# Altium PCB 创世一号.PcbDoc (part 1 of 2)
Units mm, origin at the board's own origin, x right, y up, seen from the top; angles counter-clockwise.
Board outline 347.35 x 131.83 mm, 2 copper layers (Top Layer, Bottom Layer); 243 components, 173 nets, 1078 pads, 174 vias.
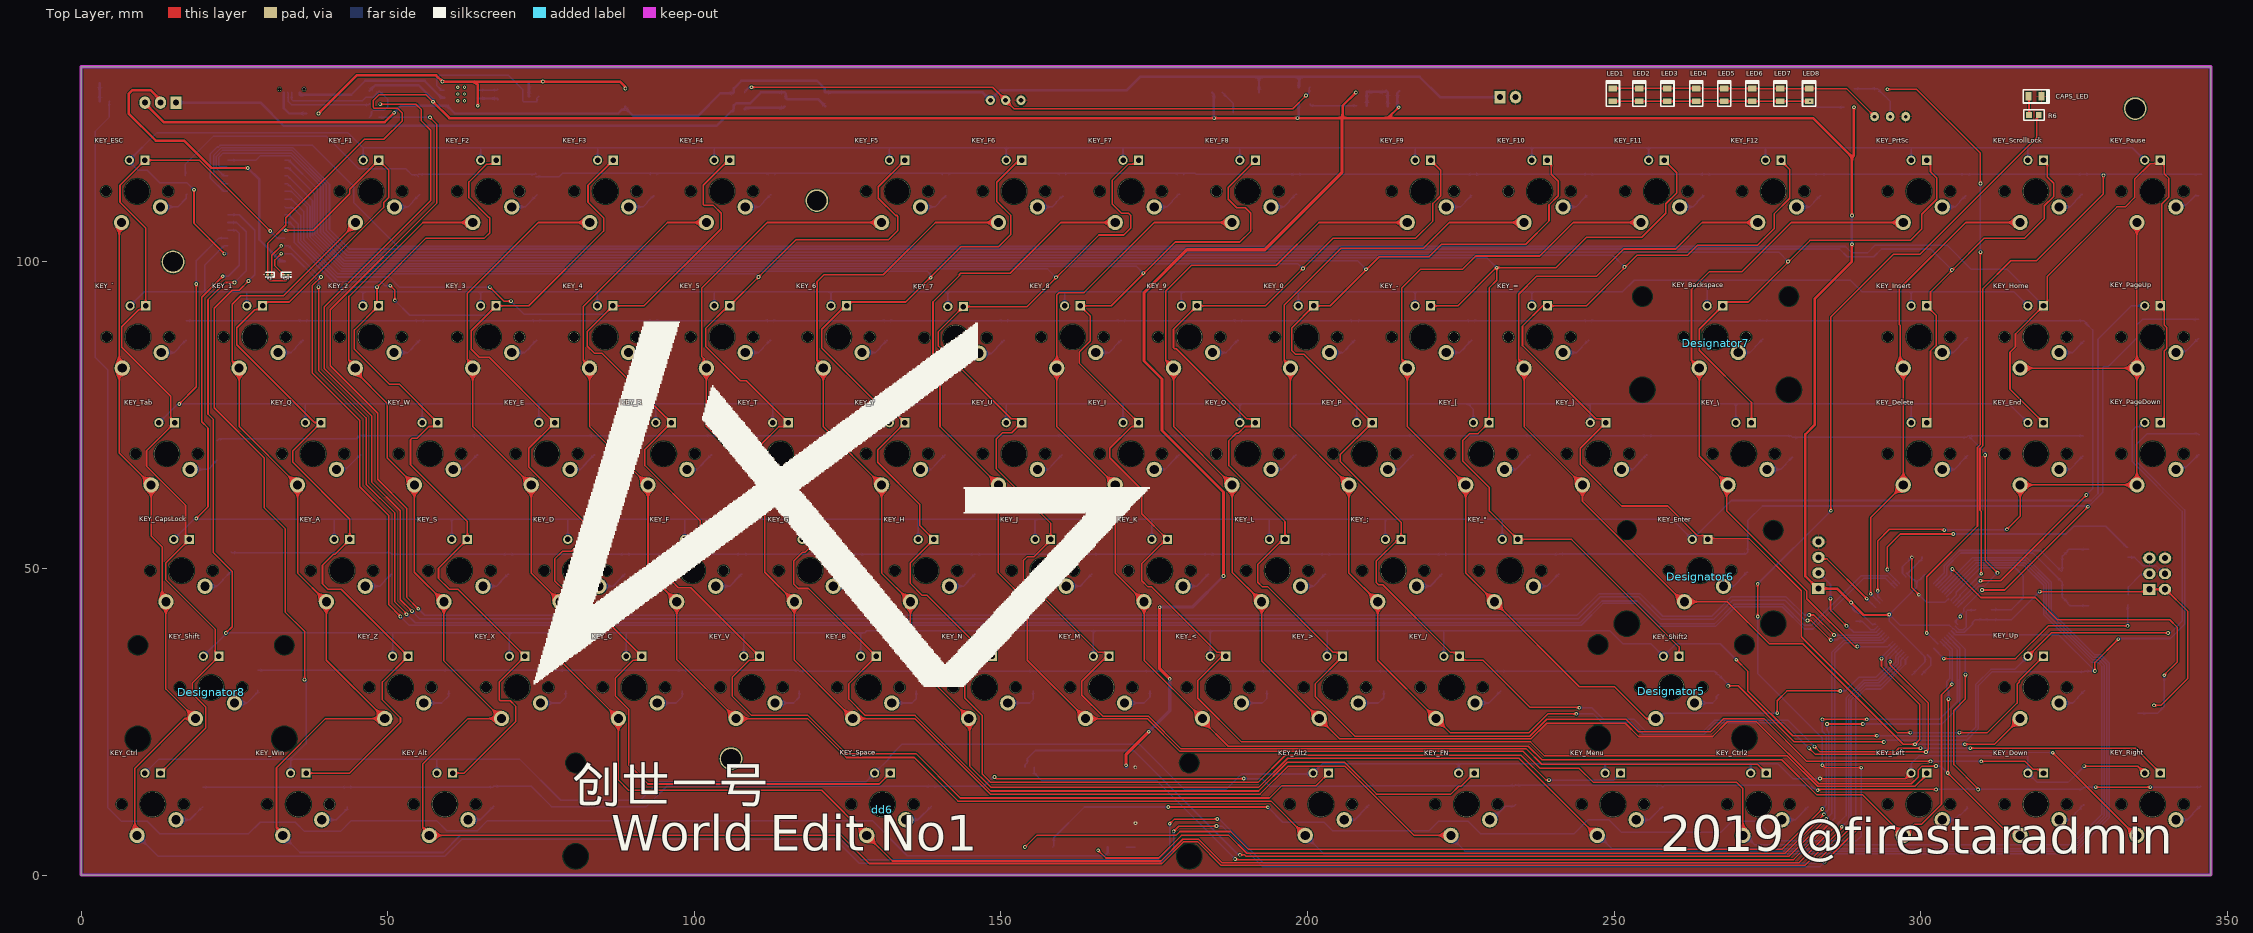
[diagram p0: Top Layer view]
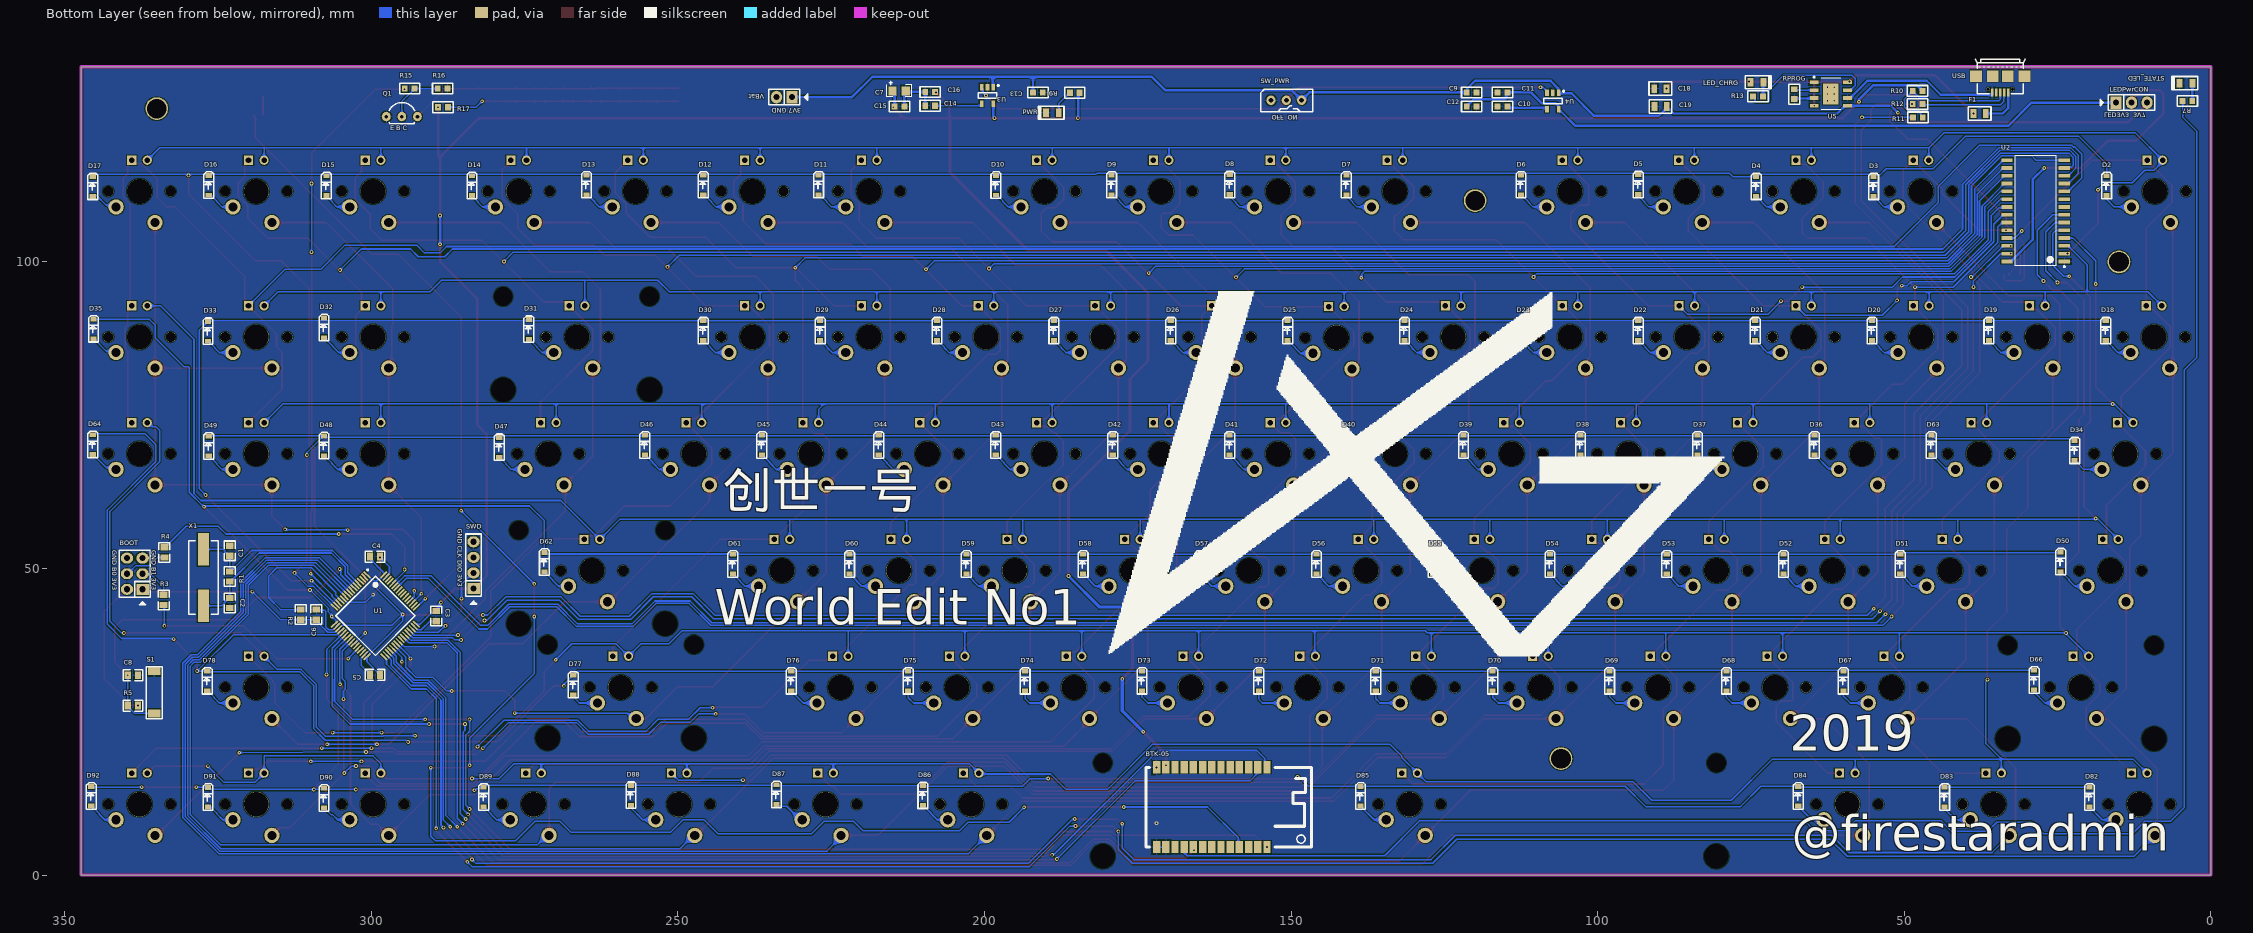
[diagram p1: Bottom Layer view, seen from below]

## Layer stack, top to bottom
Top Solder: solder mask 0.0102, Solder Resist, Dk 3.5
Top Layer: signal copper 0.0356
Dielectric 1: dielectric 0.32, FR-4, Dk 4.8
Bottom Layer: signal copper 0.0356
Bottom Solder: solder mask 0.0102, Solder Resist, Dk 3.5

## Board outline
0,0 347.345,0 347.345,131.826 0,131.826

## Design rules (kind name [scope] priority, off if disabled: settings)
Clearance [All] p1: gap=0.15 ignorepadtopadclearanceinfootprint=FALSE
ComponentClearance [All] p1 off: gap=0.254 collisioncheckmode=3 verticalgap=0.254 showdistances=FALSE
PlaneConnect [All] p1: pad.planeconnectstyle=Relief pad.reliefexpansion=0.508 pad.reliefentries=4 pad.reliefconductorwidth=0.254 pad.reliefairgap=0.254 via.planeconnectstyle=Direct via.reliefexpansion=0.508 via.reliefentries=4 via.reliefconductorwidth=0.254 via.reliefairgap=0.254
PolygonConnect [All] p1: thpad.connectstyle=Relief thpad.reliefconductorwidth=0.254 thpad.reliefentries=4 thpad.polygonreliefangle="90 Angle" thpad.airgapwidth=0.254 smdpad.connectstyle=Relief smdpad.reliefconductorwidth=0.254 smdpad.reliefentries=4 smdpad.polygonreliefangle="90 Angle" smdpad.airgapwidth=0.254 via.connectstyle=Direct via.reliefconductorwidth=0.254 via.reliefentries=4 via.polygonreliefangle="90 Angle" via.airgapwidth=0.254
RoutingVias [All] p1: holewidth=0.3 width=0.6 viastyle="Through Hole" minholewidth=0.3 minwidth=0.6 maxholewidth=0.711 maxwidth=1.27
SolderMaskExpansion [All] p1: expansion=0.102 istentingtop=FALSE
Width [All] p1: maxlimit=0.5 minlimit=0.254 preferedwidth=0.254
28 further rules are at their usual default settings.

## Classes and differential pairs
component class 创世一号_键轴: D2 D3 D4 D5 D6 D7 D8 D9 D10 D11 D12 D13 D14 D15 D16 D17 D18 D19 D20 D21 D22 D23 D24 D25 D26 D27 D28 D29 D30 D31 D32 D33 D34 D35 D36 D37 D38 D39 D40 D41 D42 D43 D44 D45 D46 D47 D48 D49 D50 D51 D52 D53 D54 D55 D56 D57 D58 D59 D60 D61 D62 D63 D64 D66 D67 D68 D69 D70 D71 D72 D73 D74 D75 D76 D77 D78 D82 D83 D84 D85 D86 D87 D88 D89 D90 D91 D92 KEY_0 KEY_1 KEY_2 KEY_3 KEY_4 KEY_5 KEY_6 KEY_7 KEY_8 KEY_9 "KEY_\"" KEY_- KEY_/ KEY_; KEY_< KEY_= KEY_> KEY_[ KEY_\ KEY_] KEY_` KEY_A KEY_Alt KEY_Alt2 KEY_B KEY_Backspace KEY_C KEY_CapsLock KEY_Ctrl KEY_Ctrl2 KEY_D KEY_Delete KEY_Down KEY_E KEY_End KEY_Enter KEY_ESC KEY_F KEY_F1 KEY_F2 KEY_F3 KEY_F4 KEY_F5 KEY_F6 KEY_F7 KEY_F8 KEY_F9 KEY_F10 KEY_F11 KEY_F12 KEY_FN KEY_G KEY_H KEY_Home KEY_I KEY_Insert KEY_J KEY_K KEY_L KEY_Left KEY_M KEY_Menu KEY_N KEY_O KEY_P KEY_PageDown KEY_PageUp KEY_Pause KEY_PrtSc KEY_Q KEY_R KEY_Right KEY_S KEY_ScrollLock KEY_Shift KEY_Shift2 KEY_Space KEY_T KEY_Tab KEY_U KEY_Up KEY_V KEY_W KEY_Win KEY_X KEY_Y KEY_Z
component class 创世一号_主控: BOOT BTK-05 C1 C2 C3 C4 C5 C6 C7 C8 C9 C10 C11 C12 C13 C14 C15 C16 C18 C19 CAPS_LED F1 LED1 LED2 LED3 LED4 LED5 LED6 LED7 LED8 LED_CHRG LEDPwrCON PWR Q1 R1 R2 R3 R4 R5 R6 R7 R8 R9 R10 R11 R12 R13 R14 R15 R16 R17 RPROG S1 STATE_LED SW_PWR SWD U1 U2 U3 U4 U5 USB VBat X1

## Components (designator, comment, footprint, x,y, rotation, side; value= is the part's Value field where it differs from the comment)
BOOT "HDR2x3" PIN-2x3-2.54-1.0 338.582,49.149 r90 bottom
BTK-05 "BTK-05-blueteeth" BTK-05-bluteeth 160.691,10.872 r270 bottom
C1 "22pF" RC0603 323.088,52.07 r90 bottom value=20pF
C2 "22pF" RC0603 323.088,45.212 r270 bottom value=20pF
C3 "104" RC0603 289.433,43.053 r270 bottom value=100nF
C4 "104" RC0603 300.228,51.943 r180 bottom value=100nF
C5 "104" RC0603 298.577,32.639 r0 bottom value=100nF
C6 "104" RC0603 308.991,41.656 r90 bottom value=100nF
C7 "10uf" CAP0805 215.011,127.889 r180 bottom
C8 "104" RC0603 339.725,32.597 r180 bottom value=100nF
C9 "105" 0603#1 120.561,127.635 r180 bottom
C10 "22nf" 0603#1 115.532,125.349 r0 bottom
C11 "104" 0603#1 115.532,127.635 r0 bottom
C12 "105" 0603#1 120.561,125.349 r180 bottom
C13 "105" 0603#1 191.3,127.635 r180 bottom
C14 "22nf" 0603#1 208.877,125.476 r0 bottom
C15 "104" 0603#1 213.868,125.349 r180 bottom
C16 "105" 0603#1 208.877,127.717 r0 bottom
C18 "10uf" 0805 89.789,128.27 r180 bottom
C19 "10uf" 0805 89.748,125.349 r180 bottom
CAPS_LED "LED" LED-0805 318.643,127 r0 top
D2 "Diode" SDO-123 17.018,110.806 r90 bottom
D3 "Diode" SDO-123 55.012,110.679 r90 bottom
D4 "Diode" SDO-123 74.168,110.679 r90 bottom
D5 "Diode" SDO-123 93.387,110.998 r90 bottom
D6 "Diode" SDO-123 112.522,110.933 r90 bottom
D7 "Diode" SDO-123 140.997,110.933 r90 bottom
D8 "Diode" SDO-123 160.02,110.998 r90 bottom
D9 "Diode" SDO-123 179.282,110.933 r90 bottom
D10 "Diode" SDO-123 198.147,110.871 r90 bottom
D11 "Diode" SDO-123 227.065,110.933 r90 bottom
D12 "Diode" SDO-123 245.872,110.933 r90 bottom
D13 "Diode" SDO-123 264.922,110.933 r90 bottom
D14 "Diode" SDO-123 283.591,110.806 r90 bottom
D15 "Diode" SDO-123 307.34,110.806 r90 bottom
D16 "Diode" SDO-123 326.517,110.871 r90 bottom
D17 "Diode" SDO-123 345.44,110.679 r90 bottom
D18 "Diode" SDO-123 17.145,87.184 r90 bottom
D19 "Diode" SDO-123 36.206,87.184 r90 bottom
D20 "Diode" SDO-123 55.266,87.184 r90 bottom
D21 "Diode" SDO-123 74.327,87.184 r90 bottom
D22 "Diode" SDO-123 93.387,87.184 r90 bottom
D23 "Diode" SDO-123 112.448,87.184 r90 bottom
D24 "Diode" SDO-123 131.508,87.184 r90 bottom
D25 "Diode" SDO-123 150.569,87.184 r90 bottom
D26 "Diode" SDO-123 169.63,87.184 r90 bottom
D27 "Diode" SDO-123 188.69,87.184 r90 bottom
D28 "Diode" SDO-123 207.751,87.184 r90 bottom
D29 "Diode" SDO-123 226.811,87.184 r90 bottom
D30 "Diode" SDO-123 245.872,87.184 r90 bottom
D31 "Diode" SDO-123 274.32,87.376 r90 bottom
D32 "Diode" SDO-123 307.721,87.63 r90 bottom
D33 "Diode" SDO-123 326.644,87.057 r90 bottom
D34 "Diode" SDO-123 22.225,67.626 r90 bottom
D35 "Diode" SDO-123 345.313,87.438 r90 bottom
D36 "Diode" SDO-123 64.666,68.515 r90 bottom
D37 "Diode" SDO-123 83.739,68.515 r90 bottom
D38 "Diode" SDO-123 102.812,68.515 r90 bottom
D39 "Diode" SDO-123 121.885,68.515 r90 bottom
D40 "Diode" SDO-123 140.958,68.515 r90 bottom
D41 "Diode" SDO-123 160.032,68.515 r90 bottom
D42 "Diode" SDO-123 179.105,68.515 r90 bottom
D43 "Diode" SDO-123 198.178,68.515 r90 bottom
D44 "Diode" SDO-123 217.251,68.515 r90 bottom
D45 "Diode" SDO-123 236.324,68.515 r90 bottom
D46 "Diode" SDO-123 255.397,68.515 r90 bottom
D47 "Diode" SDO-123 279.146,68.134 r90 bottom
D48 "Diode" SDO-123 307.721,68.388 r90 bottom
D49 "Diode" SDO-123 326.517,68.326 r90 bottom
D50 "Diode" SDO-123 24.511,49.465 r90 bottom
D51 "Diode" SDO-123 50.673,49.084 r90 bottom
D52 "Diode" SDO-123 69.71,49.084 r90 bottom
D53 "Diode" SDO-123 88.748,49.084 r90 bottom
D54 "Diode" SDO-123 107.785,49.084 r90 bottom
D55 "Diode" SDO-123 126.822,49.084 r90 bottom
D56 "Diode" SDO-123 145.859,49.084 r90 bottom
D57 "Diode" SDO-123 164.897,49.084 r90 bottom
D58 "Diode" SDO-123 183.934,49.084 r90 bottom
D59 "Diode" SDO-123 202.971,49.084 r90 bottom
D60 "Diode" SDO-123 222.009,49.084 r90 bottom
D61 "Diode" SDO-123 241.046,49.084 r90 bottom
D62 "Diode" SDO-123 271.78,49.403 r90 bottom
D63 "Diode" SDO-123 45.593,68.515 r90 bottom
D64 "Diode" SDO-123 345.44,68.58 r90 bottom
D66 "Diode" SDO-123 28.829,30.161 r90 bottom
D67 "Diode" SDO-123 59.944,30.034 r90 bottom
D68 "Diode" SDO-123 79.008,30.034 r90 bottom
D69 "Diode" SDO-123 98.072,30.034 r90 bottom
D70 "Diode" SDO-123 117.136,30.034 r90 bottom
D71 "Diode" SDO-123 136.2,30.034 r90 bottom
D72 "Diode" SDO-123 155.265,30.034 r90 bottom
D73 "Diode" SDO-123 174.329,30.034 r90 bottom
D74 "Diode" SDO-123 193.393,30.034 r90 bottom
D75 "Diode" SDO-123 212.457,30.034 r90 bottom
D76 "Diode" SDO-123 231.521,30.034 r90 bottom
D77 "Diode" SDO-123 267.081,29.399 r90 bottom
D78 "Diode" SDO-123 326.771,30.034 r90 bottom
D82 "Diode" SDO-123 19.812,11.111 r90 bottom
D83 "Diode" SDO-123 43.434,11.111 r90 bottom
D84 "Diode" SDO-123 67.31,11.238 r90 bottom
D85 "Diode" SDO-123 138.684,11.238 r90 bottom
D86 "Diode" SDO-123 210.058,11.365 r90 bottom
D87 "Diode" SDO-123 233.934,11.492 r90 bottom
D88 "Diode" SDO-123 257.664,11.384 r90 bottom
D89 "Diode" SDO-123 281.686,11.111 r90 bottom
D90 "Diode" SDO-123 307.721,10.922 r90 bottom
D91 "Diode" SDO-123 326.651,11.074 r90 bottom
D92 "Diode" SDO-123 345.694,11.238 r90 bottom
dd6 "Comment" 1x6.25 130.683,11.303 r0 top
Designator5 "Comment" 1x2 259.334,30.607 r0 top
Designator6 "Comment" 1x2 264.033,49.276 r0 top
Designator7 "Comment" 1x2 266.573,87.376 r0 top
Designator8 "Comment" 1x2 21.209,30.48 r0 top
F1 "500mA" 0805 37.719,124.206 r180 bottom
KEY_0 "MX_SW" MX_SW-5 199.771,87.757 r0 top
KEY_1 "MX_SW" MX_SW-5 28.321,87.757 r0 top
KEY_2 "MX_SW" MX_SW-5 47.244,87.757 r0 top
KEY_3 "MX_SW" MX_SW-5 66.421,87.757 r0 top
KEY_4 "MX_SW" MX_SW-5 85.471,87.757 r0 top
KEY_5 "MX_SW" MX_SW-5 104.521,87.757 r0 top
KEY_6 "MX_SW" MX_SW-5 123.571,87.757 r0 top
KEY_7 "MX_SW" MX_SW-5 142.621,87.63 r0 top
KEY_8 "MX_SW" MX_SW-5 161.671,87.757 r0 top
KEY_9 "MX_SW" MX_SW-5 180.721,87.757 r0 top
"KEY_\"" "MX_SW" MX_SW-5 233.045,49.657 r0 top
KEY_- "MX_SW" MX_SW-5 218.821,87.757 r0 top
KEY_/ "MX_SW" MX_SW-5 223.52,30.607 r0 top
KEY_; "MX_SW" MX_SW-5 213.995,49.657 r0 top
KEY_< "MX_SW" MX_SW-5 185.42,30.607 r0 top
KEY_= "MX_SW" MX_SW-5 237.871,87.757 r0 top
KEY_> "MX_SW" MX_SW-5 204.47,30.607 r0 top
KEY_[ "MX_SW" MX_SW-5 228.346,68.707 r0 top
KEY_\ "MX_SW" MX_SW-5 271.145,68.707 r0 top
KEY_] "MX_SW" MX_SW-5 247.396,68.707 r0 top
KEY_` "MX_SW" MX_SW-5 9.271,87.757 r0 top
KEY_A "MX_SW" MX_SW-5 42.545,49.657 r0 top
KEY_Alt "MX_SW" MX_SW-5 59.309,11.557 r0 top
KEY_Alt2 "MX_SW" MX_SW-5 202.184,11.557 r0 top
KEY_B "MX_SW" MX_SW-5 128.397,30.607 r0 top
KEY_Backspace "MX_SW" MX_SW-5 266.446,87.757 r0 top
KEY_C "MX_SW" MX_SW-5 90.17,30.607 r0 top
KEY_CapsLock "MX_SW" MX_SW-5 16.383,49.657 r0 top
KEY_Ctrl "MX_SW" MX_SW-5 11.684,11.557 r0 top
KEY_Ctrl2 "MX_SW" MX_SW-5 273.558,11.557 r0 top
KEY_D "MX_SW" MX_SW-5 80.645,49.657 r0 top
KEY_Delete "MX_SW" MX_SW-5 299.72,68.707 r0 top
KEY_Down "MX_SW" MX_SW-5 318.77,11.557 r0 top
KEY_E "MX_SW" MX_SW-5 75.946,68.707 r0 top
KEY_End "MX_SW" MX_SW-5 318.77,68.707 r0 top
KEY_Enter "MX_SW" MX_SW-5 264.033,49.657 r0 top
KEY_ESC "MX_SW" MX_SW-5 9.144,111.506 r0 top
KEY_F "MX_SW" MX_SW-5 99.695,49.657 r0 top
KEY_F1 "MX_SW" MX_SW-5 47.282,111.506 r0 top
KEY_F2 "MX_SW" MX_SW-5 66.421,111.506 r0 top
KEY_F3 "MX_SW" MX_SW-5 85.509,111.506 r0 top
KEY_F4 "MX_SW" MX_SW-5 104.521,111.506 r0 top
KEY_F5 "MX_SW" MX_SW-5 133.096,111.506 r0 top
KEY_F6 "MX_SW" MX_SW-5 152.146,111.506 r0 top
KEY_F7 "MX_SW" MX_SW-5 171.196,111.506 r0 top
KEY_F8 "MX_SW" MX_SW-5 190.246,111.506 r0 top
KEY_F9 "MX_SW" MX_SW-5 218.821,111.506 r0 top
KEY_F10 "MX_SW" MX_SW-5 237.871,111.506 r0 top
KEY_F11 "MX_SW" MX_SW-5 256.921,111.506 r0 top
KEY_F12 "MX_SW" MX_SW-5 275.971,111.506 r0 top
KEY_FN "MX_SW" MX_SW-5 225.933,11.557 r0 top
KEY_G "MX_SW" MX_SW-5 118.872,49.657 r0 top
KEY_H "MX_SW" MX_SW-5 137.795,49.657 r0 top
KEY_Home "MX_SW" MX_SW-5 318.77,87.757 r0 top
KEY_I "MX_SW" MX_SW-5 171.196,68.707 r0 top
KEY_Insert "MX_SW" MX_SW-5 299.72,87.757 r0 top
KEY_J "MX_SW" MX_SW-5 156.845,49.657 r0 top
KEY_K "MX_SW" MX_SW-5 175.895,49.657 r0 top
KEY_L "MX_SW" MX_SW-5 195.072,49.657 r0 top
KEY_Left "MX_SW" MX_SW-5 299.72,11.557 r0 top
KEY_M "MX_SW" MX_SW-5 166.37,30.607 r0 top
KEY_Menu "MX_SW" MX_SW-5 249.809,11.557 r0 top
KEY_N "MX_SW" MX_SW-5 147.32,30.607 r0 top
KEY_O "MX_SW" MX_SW-5 190.246,68.707 r0 top
KEY_P "MX_SW" MX_SW-5 209.296,68.707 r0 top
KEY_PageDown "MX_SW" MX_SW-5 337.82,68.707 r0 top
KEY_PageUp "MX_SW" MX_SW-5 337.82,87.757 r0 top
KEY_Pause "MX_SW" MX_SW-5 337.82,111.506 r0 top
KEY_PrtSc "MX_SW" MX_SW-5 299.72,111.506 r0 top
KEY_Q "MX_SW" MX_SW-5 37.846,68.707 r0 top
KEY_R "MX_SW" MX_SW-5 94.996,68.707 r0 top
KEY_Right "MX_SW" MX_SW-5 337.82,11.557 r0 top
KEY_S "MX_SW" MX_SW-5 61.722,49.657 r0 top
KEY_ScrollLock "MX_SW" MX_SW-5 318.77,111.506 r0 top
KEY_Shift "MX_SW" MX_SW-5 21.209,30.607 r0 top
KEY_Shift2 "MX_SW" MX_SW-5 259.334,30.607 r0 top
KEY_Space "MX_SW" MX_SW-5 130.683,11.557 r0 top
KEY_T "MX_SW" MX_SW-5 114.046,68.707 r0 top
KEY_Tab "MX_SW" MX_SW-5 13.97,68.707 r0 top
KEY_U "MX_SW" MX_SW-5 152.146,68.707 r0 top
KEY_Up "MX_SW" MX_SW-5 318.77,30.607 r0 top
KEY_V "MX_SW" MX_SW-5 109.347,30.607 r0 top
KEY_W "MX_SW" MX_SW-5 56.896,68.707 r0 top
KEY_Win "MX_SW" MX_SW-5 35.433,11.557 r0 top
KEY_X "MX_SW" MX_SW-5 71.12,30.607 r0 top
KEY_Y "MX_SW" MX_SW-5 133.096,68.707 r0 top
KEY_Z "MX_SW" MX_SW-5 52.07,30.607 r0 top
LED1 "LED" LED-0805 249.809,127.255 r90 top
LED2 "LED" LED-0805 254.127,127.255 r90 top
LED3 "LED" LED-0805 258.699,127.255 r90 top
LED4 "LED" LED-0805 263.398,127.255 r90 top
LED5 "LED" LED-0805 267.97,127.255 r90 top
LED6 "LED" LED-0805 272.542,127.255 r90 top
LED7 "LED" LED-0805 277.114,127.255 r90 top
LED8 "LED" LED-0805 281.813,127.255 r90 top
LED_CHRG "LED" LED-0805 74.041,129.286 r180 bottom
LEDPwrCON "HDR1x3" PIN-3-2.54-1.0 12.954,125.984 r180 bottom
PWR "LED" LED-0805 188.942,124.333 r0 bottom
Q1 "NPN" S8050-TO-92 295.021,123.698 r180 bottom
R1 "1M" RC0603 323.088,47.879 r90 bottom
R2 "0R" RC0603 311.531,43.307 r270 bottom
R3 "10K" RC0603 333.883,45.72 r270 bottom
R4 "10K" RC0603 333.756,53.467 r270 bottom
R5 "10K" RC0603 339.725,27.644 r180 bottom
R6 "1k" 0603#1 318.478,123.952 r180 top
R7 "1k" 0603#1 3.848,126.238 r180 bottom
R8 "10K" 0603#2 30.765,97.917 r0 top
R9 "1k" 0603#1 185.293,127.588 r180 bottom
R10 "1.5K" 0603#1 47.841,127.889 r0 bottom
R11 "22R" 0603#1 47.79,123.571 r180 bottom
R12 "22R" 0603#1 47.841,125.739 r180 bottom
R13 "1k" 0603#1 73.876,127 r180 bottom
R14 "10K" 0603#2 33.41,97.917 r180 top
R15 "1K" 0603#1 293.751,128.27 r0 bottom
R16 "10k" 0603#1 288.379,128.27 r180 bottom
R17 "1K" 0603#1 288.328,125.222 r0 bottom
RPROG "2k" 0603#1 67.945,127.352 r90 bottom
S1 "SW-SPST" SMT-KEY 335.407,26.374 r180 bottom
STATE_LED "LED" LED-0805 4.064,129.159 r0 bottom
SW_PWR "SWITCH-SPST" Switch_3p_2.5mmjianju 153.289,126.365 r270 bottom
SWD "HDR1x4" PIN-4-2.54-1.0 283.337,50.546 r90 bottom
U1 "STM32F103RCT6" QFP-64-0.5 299.339,42.291 r225 bottom
U2 "HT16K33 SOP-28" HT16K33-28PIN-SOP28 28.575,108.331 r0 bottom
U3 "RT9193" SOT-23-5 199.517,127.17 r0 bottom
U4 "RT9193" SOT-23-5 107.315,126.238 r0 bottom
U5 "TP4056" ESOP8 61.976,127.381 r180 bottom
USB "USB Slave_c" "MICRO USB CONNECTOR TYPEB-ST-MC-5F-01" 34.36,131.752 r0 bottom
VBat "HDR1x2" PIN-2-2.54-1.0 232.664,126.873 r0 bottom (schematic designator Power)
X1 "8M" HC49-SMD 327.406,48.514 r90 bottom value=8MHz

## Footprints (in the part's own frame and the unit in brackets; to place one, negate y for a bottom-side part, rotate by r counter-clockwise, add the part's x,y. Pads: shape width x height; smd on the part's side, far side on the other; paste and mask are expansions set on the pad)
1x2 [mil] "stab"
  round 0 hole 120: 0(-470,275) 3(470,275)
  round 0 hole 157: 1(-470,-325) 4(470,-325)
1x6.25 [mil] "stab"
  round 0 hole 120: 0(1970,275) 3(-1970,275)
  round 0 hole 157: 1(1970,-325) 4(-1970,-325)
0603#1 [mm] "SMD, 0603"
  rect 0.95x1 smd: 1(-0.8,0) 2(0.8,0)
  silkscreen extent -1.66,-0.88 1.66,0.88, body extent -0.77,-0.43 0.78,0.42, height 0.45
0603#2 [mm] "Chip Inductor, Body 0.6x0.3mm, IPC High Density"
  rect 0.5x0.3 smd: 1(-0.35,0) 2(0.35,0)
  silkscreen extent -0.9,-0.05 -0.9,0.05, body extent -0.33,-0.18 0.33,0.18, height 0.55
0805 [mm] "SMD, 0805"
  rect 0.95x1.4 smd: 1(-1,0) 2(1,0)
  silkscreen extent -1.85,-1.08 1.85,1.08, body extent -1,-0.62 1,0.63, height 0.45
BTK-05-bluteeth [mm]
  rect 2x1.2 smd: 1(-6.7,6.75) 2(-6.7,5.25) 3(-6.7,3.75) 4(-6.7,2.25) 5(-6.7,0.75) 6(-6.7,-0.75) 7(-6.7,-2.25) 8(-6.7,-3.75) 9(-6.7,-5.25) 10(-6.7,-6.75) 11(-6.7,-8.25) 12(-6.7,-9.75) 13(-6.7,-11.25) 22(6.3,-11.25) 23(6.3,-9.75) 24(6.3,-8.25) 25(6.3,-6.75) 26(6.3,-5.25) 27(6.3,-3.75) 28(6.3,-2.25) 29(6.3,-0.75) 30(6.3,0.75) 31(6.3,2.25) 32(6.3,3.75) 33(6.3,5.25) 34(6.3,6.75)
  silkscreen extent -6.7,-13 6.3,14
CAP0805 [mil]
  rect 52x56 smd: 1(0,0) 2(85,0)
  silkscreen extent -37,-39 122,61
ESOP8 [mm] "SOP, 8-Leads, Body 4.90x3.90mm, Pitch 1.27mm, Thermal Pad 3.40x2.50mm, IPC Medium Density"
  rect 1.45x0.6 smd: 1(-2.725,1.905) 2(-2.725,0.635) 3(-2.725,-0.635) 4(-2.725,-1.905) 5(2.725,-1.905) 6(2.725,-0.635) 7(2.725,0.635) 8(2.725,1.905)
  rect 2.5x3.4 smd: 9(0,0)
  silkscreen extent -2.85,-2.55 1.6,2.88, body extent -2,-2.55 2,2.55, height 1.7
HC49-SMD [mm] "CRYSTAL, SMD"
  rect 5.3x1.8 smd: 1(-4.6,0) 2(4.6,0)
  silkscreen extent -6,-2.4 6,2.4, body extent -6.35,-2.35 6.35,2.35, height 4.2
HT16K33-28PIN-SOP28 [mm] "SOP, 28-Leads, Body 17.90x7.50mm, Pitch 1.27mm, Thermal Pad 0.00x0.00mm, IPC Medium Density"
  rect 1.85x0.6 smd: 1(-4.675,8.255) 2(-4.675,6.985) 3(-4.675,5.715) 4(-4.675,4.445) 5(-4.675,3.175) 6(-4.675,1.905) 7(-4.675,0.635) 8(-4.675,-0.635) 9(-4.675,-1.905) 10(-4.675,-3.175) 11(-4.675,-4.445) 12(-4.675,-5.715) 13(-4.675,-6.985) 14(-4.675,-8.255) 15(4.675,-8.255) 16(4.675,-6.985) 17(4.675,-5.715) 18(4.675,-4.445) 19(4.675,-3.175) 20(4.675,-1.905) 21(4.675,-0.635) 22(4.675,0.635) 23(4.675,1.905) 24(4.675,3.175) 25(4.675,4.445) 26(4.675,5.715) 27(4.675,6.985) 28(4.675,8.255)
  silkscreen extent -4.8,-8.95 3.35,9.23, body extent -3.75,-8.95 3.75,8.95, height 2.56
LED-0805 [mm] "LED, SMD, 0805"
  rect 0.95x1.4 smd: 1(-1.05,0) 2(1.05,0)
  silkscreen extent -1.9,-1.08 2.3,1.08, body extent -1.03,-0.45 1.03,0.45, height 0.85
"MICRO USB CONNECTOR TYPEB-ST-MC-5F-01" [mm] "Micro USB Connector, Type B, ST-MC-5F-01"
  round 0.55 hole 0.55 unplated: 0(-2,3.6) 0(2,3.6)
  rect 0.4x1.35 smd: 1(-1.3,4.125) 2(-0.65,4.125) 3(0,4.125) 4(0.65,4.125) 5(1.3,4.125)
  rect 1.9x1.9 smd: 6(-3.95,1.45) 7(3.95,1.45) 8(-1.2,1.45) 9(1.2,1.45)
  silkscreen extent -4.05,-1.33 4.05,4.3, body extent -3.99,-1.13 3.99,4.3, height 2.72
MX_SW-5 [mm] "with Fixation pins  1-Pole w/LED"
  round 2.5 hole 1.5: 1(3.81,-2.54) 2(-2.54,-5.08)
  rect 1.5x1.5 hole 0.9: 3(1.27,5.08)
  round 1.5 hole 0.9: 4(-1.27,5.08)
  round 1.702 hole 1.702: ""(-5.08,0) ""(5.08,0)
  round 4.064 hole 4.064: ""(0,0)
PIN-2-2.54-1.0 [mil] "Pin Header"
  rect 70x80 hole 39.37: 1(-50,0)
  oval 70x80 hole 39.37: 2(50,0)
  silkscreen extent -150,-50 100,50, body extent -100,-50 100,50, height 398
PIN-2x3-2.54-1.0 [mil] "Pin Header"
  rect 70x80 hole 39.37: 1(-100,-50)
  oval 70x80 hole 39.37: 2(-100,50) 3(0,-50) 4(0,50) 5(100,-50) 6(100,50)
  silkscreen extent -200,-100 150,100, body extent -150,-100 150,100, height 398
PIN-3-2.54-1.0 [mil] "Pin Header"
  rect 70x80 hole 39.37: 1(-100,0)
  oval 70x80 hole 39.37: 2(0,0) 3(100,0)
  silkscreen extent -200,-50 150,50, body extent -150,-50 150,50, height 398
PIN-4-2.54-1.0 [mil] "Pin Header"
  rect 70x80 hole 39.37: 1(-150,0)
  oval 70x80 hole 39.37: 2(-50,0) 3(50,0) 4(150,0)
  silkscreen extent -250,-50 200,50, body extent -200,-50 200,50, height 398
QFP-64-0.5 [mm] "QFP-64"
  rect 1.5x0.3 smd: 1(-5.7,3.75) 2(-5.7,3.25) 3(-5.7,2.75) 4(-5.7,2.25) 5(-5.7,1.75) 6(-5.7,1.25) 7(-5.7,0.75) 8(-5.7,0.25) 9(-5.7,-0.25) 10(-5.7,-0.75) 11(-5.7,-1.25) 12(-5.7,-1.75) 13(-5.7,-2.25) 14(-5.7,-2.75) 15(-5.7,-3.25) 16(-5.7,-3.75) 33(5.7,-3.75) 34(5.7,-3.25) 35(5.7,-2.75) 36(5.7,-2.25) 37(5.7,-1.75) 38(5.7,-1.25) 39(5.7,-0.75) 40(5.7,-0.25) 41(5.7,0.25) 42(5.7,0.75) 43(5.7,1.25) 44(5.7,1.75) 45(5.7,2.25) 46(5.7,2.75) 47(5.7,3.25) 48(5.7,3.75)
  rect 0.3x1.5 smd: 17(-3.75,-5.7) 18(-3.25,-5.7) 19(-2.75,-5.7) 20(-2.25,-5.7) 21(-1.75,-5.7) 22(-1.25,-5.7) 23(-0.75,-5.7) 24(-0.25,-5.7) 25(0.25,-5.7) 26(0.75,-5.7) 27(1.25,-5.7) 28(1.75,-5.7) 29(2.25,-5.7) 30(2.75,-5.7) 31(3.25,-5.7) 32(3.75,-5.7) 49(3.75,5.7) 50(3.25,5.7) 51(2.75,5.7) 52(2.25,5.7) 53(1.75,5.7) 54(1.25,5.7) 55(0.75,5.7) 56(0.25,5.7) 57(-0.25,5.7) 58(-0.75,5.7) 59(-1.25,5.7) 60(-1.75,5.7) 61(-2.25,5.7) 62(-2.75,5.7) 63(-3.25,5.7) 64(-3.75,5.7)
  silkscreen extent -6.33,-4.57 4.57,4.57, body extent -6.01,-6.02 6.01,6.01, height 1.6